# Altium PCB MainPCB_XBeeSXPro_Breakout.PcbDoc (part 1 of 2) (continued)
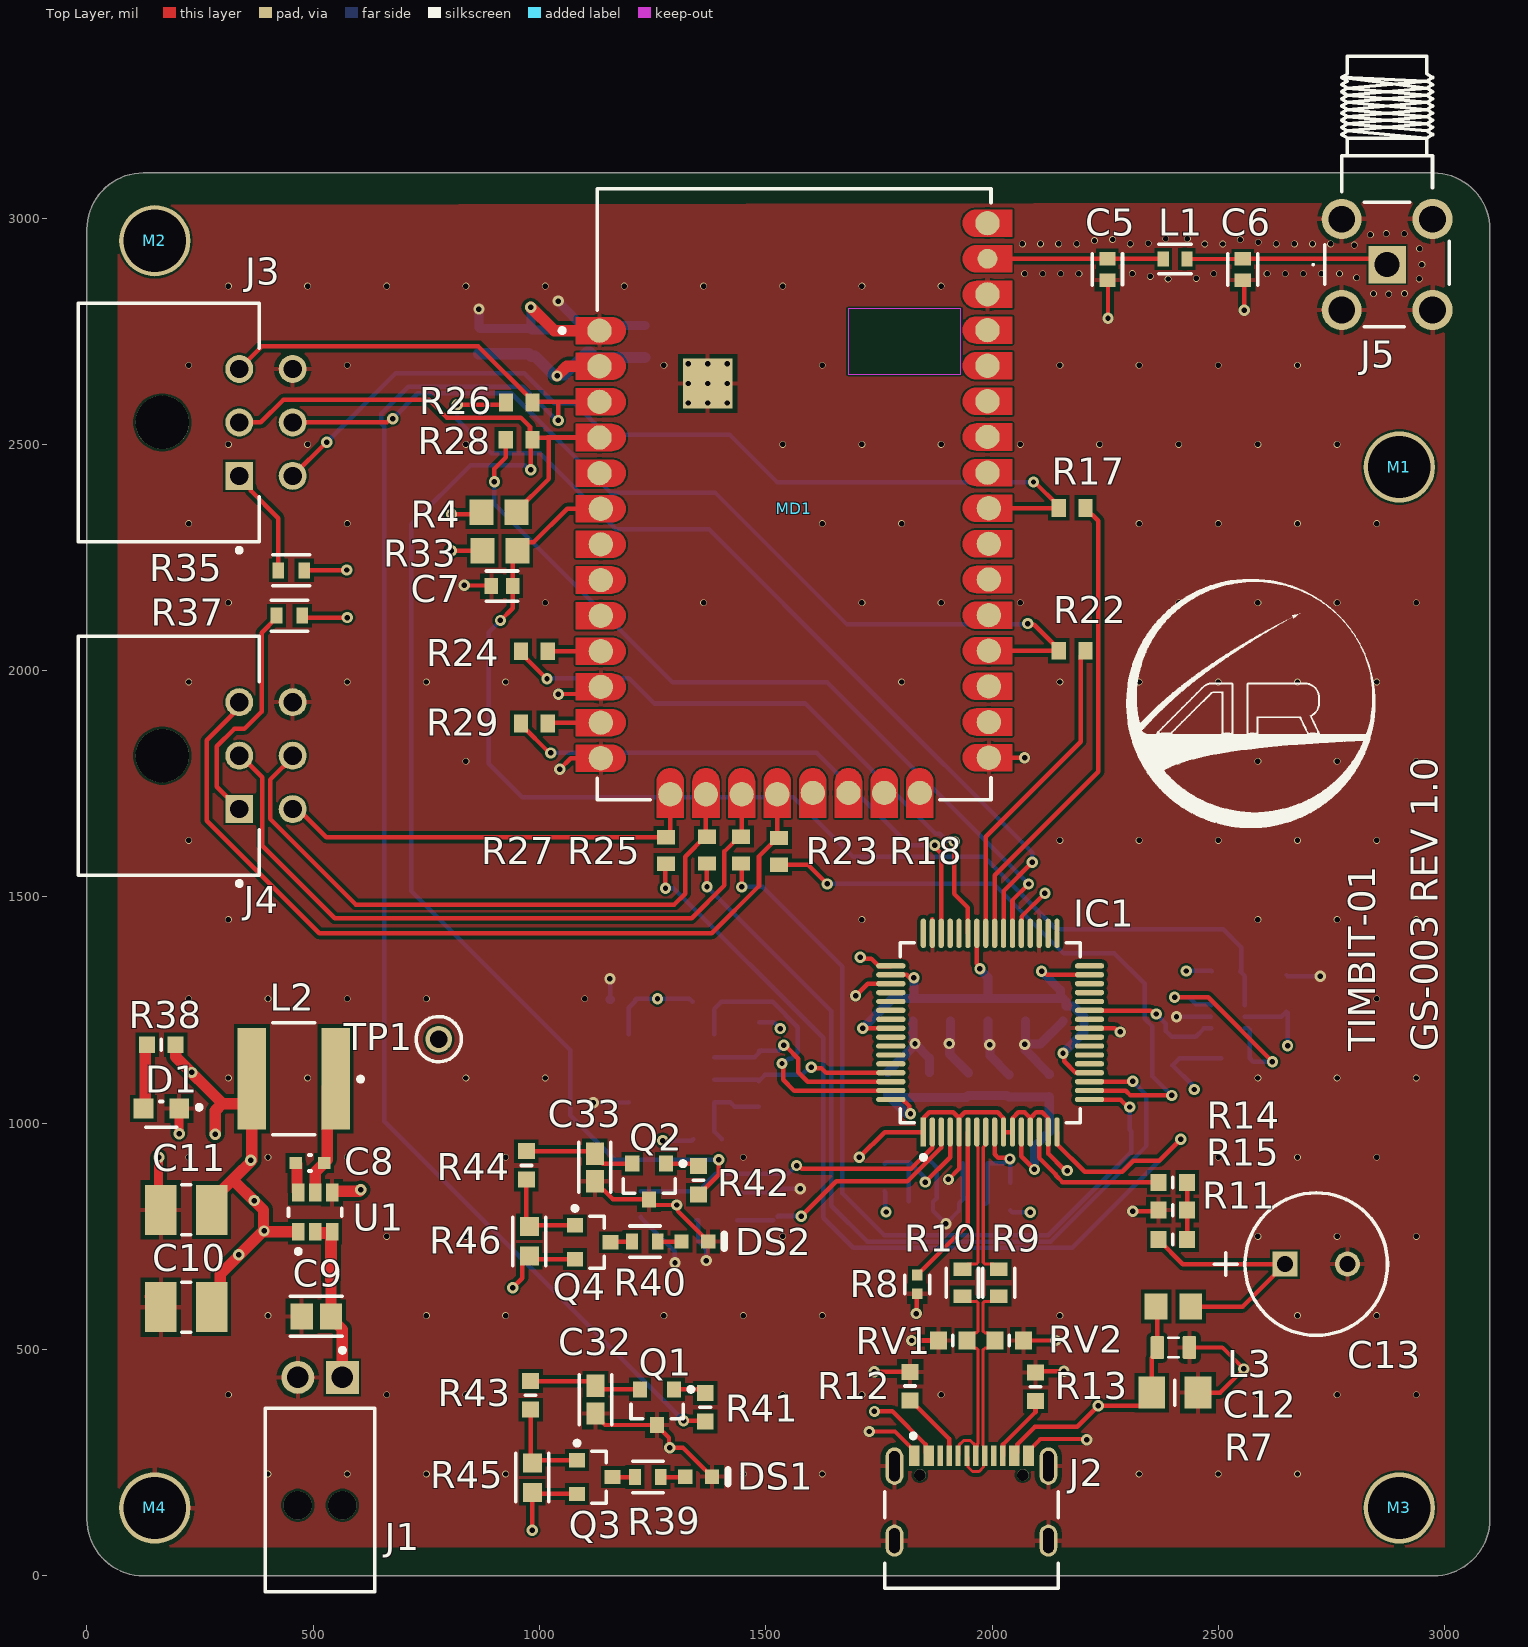
[diagram p0: Top Layer view]
## Footprints (in the part's own frame and the unit in brackets; to place one, negate y for a bottom-side part, rotate by r counter-clockwise, add the part's x,y. Pads: shape width x height; smd on the part's side, far side on the other; paste and mask are expansions set on the pad) (continued)
  Top Layer region: 12.25,-3.54 10.21,-3.54 9.919,-3.482 9.673,-3.317 9.508,-3.071 9.45,-2.78 9.45,-2.78 9.508,-2.489 9.673,-2.243 9.919,-2.078 10.21,-2.02 10.21,-2.02 12.25,-2.02
  Top Layer region: 12.25,0.46 10.21,0.46 9.919,0.518 9.673,0.683 9.508,0.929 9.45,1.22 9.45,1.22 9.508,1.511 9.673,1.757 9.919,1.922 10.21,1.98 10.21,1.98 12.25,1.98
  Top Layer region: 12.25,2.46 10.21,2.46 9.919,2.518 9.673,2.683 9.508,2.929 9.45,3.22 9.45,3.22 9.508,3.511 9.673,3.757 9.919,3.922 10.21,3.98 10.21,3.98 12.25,3.98
  Top Layer region: 12.25,4.46 10.21,4.46 9.919,4.518 9.673,4.683 9.508,4.929 9.45,5.22 9.45,5.22 9.508,5.511 9.673,5.757 9.919,5.922 10.21,5.98 10.21,5.98 12.25,5.98
  Top Layer region: 12.25,6.46 10.21,6.46 9.919,6.518 9.673,6.683 9.508,6.929 9.45,7.22 9.45,7.22 9.508,7.511 9.673,7.757 9.919,7.922 10.21,7.98 10.21,7.98 12.25,7.98
  Top Layer region: 12.25,8.46 10.21,8.46 9.919,8.518 9.673,8.683 9.508,8.929 9.45,9.22 9.45,9.22 9.508,9.511 9.673,9.757 9.919,9.922 10.21,9.98 10.21,9.98 12.25,9.98
  Top Layer region: 12.25,12.46 10.21,12.46 9.919,12.518 9.673,12.683 9.508,12.929 9.45,13.22 9.45,13.22 9.508,13.511 9.673,13.757 9.919,13.922 10.21,13.98 10.21,13.98 12.25,13.98
  Top Layer region: 12.25,14.46 10.21,14.46 9.919,14.518 9.673,14.683 9.508,14.929 9.45,15.22 9.45,15.22 9.508,15.511 9.673,15.757 9.919,15.922 10.21,15.98 10.21,15.98 12.25,15.98
  Keep-Out Layer region: 3.03,6.74 9.35,6.74 9.35,10.42 3.03,10.42
  silkscreen extent -13.15,-17.14 11.05,17.14, body extent -12.35,-18.26 12.35,17.24, height 0.25
KSTN-5003 [mm] "Test Point, Through Hole, Dia 2.54mm"
  round 1.5 hole 1: 1(0,0)
  silkscreen extent -1.27,-1.27 1.27,1.27, body extent -1.27,-1.27 1.27,1.27, height 4.57
LIRD-MI0805K601R-10-2_V [mm] "Chip Bead, 2-Leads, Body 2.2 x1.45 mm"
  rect 1.285x1.47 smd: 1(-0.972,0) 2(0.972,0)
  body extent -1.1,-0.72 1.1,0.73, height 1.1
LTST-LTW-C191TS5_V [mm] "SMD, 2-Leads, Body 1.6x0.8mm"
  rect 0.8x0.8 smd: 1(-0.75,0) 2(0.75,0)
  silkscreen extent 1.65,-0.4 1.65,0.4, body extent -0.8,-0.4 0.8,0.4, height 0.65
LUMX-SML-LX0603_V [mm] "SMD, 2-Leads, Body 1.6x0.8mm"
  rect 0.8x0.8 smd: 1(-0.75,0) 2(0.75,0)
  silkscreen extent 1.65,-0.4 1.65,0.4, body extent -0.8,-0.4 0.8,0.4, height 0.85
ONSC-SOT-23-3-318-08_V [mm] "SOT23, 3-Leads, Body 2.92x1.3mm, Pitch 0.95mm"
  rect 0.9x0.8 smd: 1(-1,0.95) 2(-1,-0.95) 3(1,0)
  silkscreen extent -1.12,-1.46 0.65,2.03, body extent -0.65,-1.46 0.65,1.46, height 1.11
PTH-M3-Footprint-1#1 [mm]
  round 4 hole 3.5: 1(-0.666,-2.883)
PTH-M3-Footprint-1#2 [mm]
  round 4 hole 3.5: 1(1.088,-0.666)
PTH-M3-Footprint-1#3 [mm]
  round 4 hole 3.5: 1(0.738,-0.556)
PTH-M3-Footprint-1#4 [mm]
  round 4 hole 3.5: 1(0.527,0.567)
RESC1608X55N [mm]
  rect 0.9x0.95 smd: 1(-0.8,0) 2(0.8,0)
  silkscreen extent 0,-0.3 0,0.3, body extent -0.8,-0.4 0.8,0.4, height 0.55
RESC1608X55X25ML10T15 [mm] "Chip Resistor, 2-Leads, Body 1.70x0.90mm, IPC Low Density"
  rect 0.8x1 smd: 1(-0.75,0) 2(0.75,0)
  body extent -0.85,-0.45 0.85,0.45, height 0.55
RESC2013X70X40ML20T20 [mm] "Chip Resistor, 2-Leads, Body 2.2x1.35mm, IPC Low Density"
  rect 1.35x1.45 smd: 1(-0.975,0) 2(0.975,0)
  body extent -1.1,-0.67 1.1,0.67, height 0.7
RESC3216X102N [mm]
  rect 1.5x1.8 smd: 1(-1.3,0) 2(1.3,0)
  silkscreen extent 0,-0.7 0,0.7, body extent -1.6,-0.8 1.6,0.8, height 1.02
SMD-0603 [mm] "Chip Inductor, 2-Leads, Body 1.6x0.8mm"
  rect 0.85x0.7 smd: 1(-0.775,0) 2(0.775,0)
  body extent -0.8,-0.4 0.8,0.4, height 0.79
SOIC-SN8_N [mm] "SOIC, 8-Leads, Body 4.9x3.9mm, Pitch 1.27mm, IPC Medium Density"
  oval 2.2x0.6 smd: 1(-2.4,1.905) 2(-2.4,0.635) 3(-2.4,-0.635) 4(-2.4,-1.905) 5(2.4,-1.905) 6(2.4,-0.635) 7(2.4,0.635) 8(2.4,1.905)
  silkscreen extent -2.53,-2.5 0.9,2.88, body extent -2,-2.5 2,2.5, height 1.75
SOT65P210X110-6N [mm]
  rect 1.2x0.4 smd: 1(-0.95,0.65) 2(-0.95,0) 3(-0.95,-0.65) 4(0.95,-0.65) 5(0.95,0) 6(0.95,0.65)
  silkscreen extent -1.55,1.2 -0.35,1.2
VARC1608X90N [mm]
  rect 0.95x1 smd: 1(-0.8,0) 2(0.8,0)
  silkscreen extent 0,-0.3 0,0.3, body extent -0.8,-0.4 0.8,0.4, height 0.9

## Part data
C1: library part CMP-001-00086-1, "Ceramic Capacitor, Multilayer, Ceramic, 250V, 1.22% +Tol, 1.22% -Tol, C0G, 30ppm/Cel TC, 0.0000082uF, Surface Mount,...", Max Operating Temperature=125°C, Min Operating Temperature=-55°C, Mounting Technology="Surface Mount"
C2: library part CMP-2007-03325-2, "CAP CER 47PF 1KV C0G/NP0 0805", Case Code (Imperial)=0805, Case Code (Metric)=2012, Dielectric=C0G, Dielectric Material=Ceramic, Max Operating Temperature=125°C, Min Operating Temperature=-55°C, Package Quantity=1, Tolerance=5%, Voltage Rating=1kV, Voltage Rating (DC)=1.5kV, Capacitance=47pF, Case/Package=0805, Construction=Flat, Depth=1.2mm, Dissipation Factor=0.1%, Height=1.25mm, Lead Free="Lead Free", Length=0.079inch, Mount="Surface Mount", Packaging="Tape and Reel", Radiation Hardening=No, RoHS Compliant=Yes, Series=C, Termination=SMD/SMT, Thickness=0.055inch, Width=0.049inch
C3 C5 C6: library part CMP-2006-03061-2, "CAP CER 0.1UF 50V X7R 0603", Capacitance="0.10 μF", Manufacturer=KEMET, Manufacturer Part Number=C0603C104K5RACTU, Package=C0603C-CF, Temperature="-55°C to +125°C", Temperature Characteristic=X7R, Temperature Coefficient=30ppm/°C, Temperature Range High=+125°C, Temperature Range Low=-55°C, Tolerance=0.1, Voltage Rating="50 V", Automotive=Yes, Automotive Grade="Grade 1", Category=Cap, ComponentLink2Description=Datasheet, ComponentLink2URL=https://api.kemet.com/component-edge/download/datasheet/C0603C100J5GACAUTO.pdf, Device Class L1="Passive Components", Device Class L2=Capacitors, Device Class L3="Ceramic Capacitors", Digikey Description="CAP CER 0.1UF 50V X7R 0603", Height=0.87mm, Lead Free=Yes, Material=Ceramic, Octopart=https://octopart.com/c0603c104k5ractu-kemet-139244, RoHS=TRUE
C4 C12: library part CMP-001-00079-4, "Chip Capacitor, 10µF +/-20%, 25V, 0805, Thickness 1.45 mm", Case/Package=0805, Max Operating Temperature=85°C, Min Operating Temperature=-55°C, Tolerance=10%, Voltage Rating=25V, Mounting Technology=SMT, Pins=2
C7: library part CMP-2006-03046-3, "CAP CER 10000PF 50V X7R 0603", Capacitance="10,000 pF", Manufacturer=KEMET, Manufacturer Part Number=C0603C103K5RACTU, Package=C0603C-CF, Temperature="-55°C to +125°C", Temperature Characteristic=X7R, Temperature Coefficient=30ppm/°C, Temperature Range High=+125°C, Temperature Range Low=-55°C, Tolerance=0.1, Voltage Rating="50 V", Automotive=Yes, Automotive Grade="Grade 1", Category=Cap, ComponentLink2Description=Datasheet, ComponentLink2URL=https://api.kemet.com/component-edge/download/datasheet/C0603C100J5GACAUTO.pdf, Device Class L1="Passive Components", Device Class L2=Capacitors, Device Class L3="Ceramic Capacitors", Digikey Description="CAP CER 10000PF 50V X7R 0603", Height=0.87mm, Lead Free=Yes, Material=Ceramic, Mouser Description="Ceramic Capacitor 0.01Uf, 50V, X7R, 10%, 0603, Full Reel", Octopart=https://octopart.com/c0603c103k5ractu-kemet-133094, RoHS=TRUE
C8: library part CMP-14477-001538-2, "None", Capacitance=100nF, Case Code (Imperial)=0603, Case Code (Metric)=1608, Dielectric=X7R, Max Operating Temperature=125°C, Min Operating Temperature=-55°C, Package Quantity=1, Ratings=AEC-Q200, Tolerance=10%, Voltage Rating=35V, Case/Package=0603, Halogen Free="Halogen Free", Height=0.8mm, Lead Free="Lead Free", Length=0.063inch, Mount="Surface Mount", Packaging="Tape and Reel", RoHS Compliant=Yes, Termination=SMD/SMT, Thickness=0.035inch, Voltage Rating (DC)=35V, Width=0.031inch
C9: library part CMP-06035-047417-1, "Chip Multilayer Ceramic Capacitors for General Purpose, 0805, 10uF, X7R, 15%, 10%, 25V"
C10 C11: library part CMP-14477-001688-2, "None", Capacitance=22uF, Case Code (Imperial)=1210, Case Code (Metric)=3225, Max Operating Temperature=125°C, Min Operating Temperature=-55°C, Tolerance=20%, Voltage Rating=25V, Case/Package=1210, Mount="Surface Mount", Packaging="Tape and Reel", RoHS Compliant=Yes
C13: library part CMP-001-00026-7, "Aluminum Electrolytic Capacitor, 100 uF, +/- 20%, 50 V, -40 to 85 degC, 2-Pin THD, RoHS, Bulk", Capacitor Type=Electrolytic, Case/Package=Radial, Manufacturer=Panasonic, Max Operating Temperature=85°C, Min Operating Temperature=-40°C, Package Description="2-Pin Radial Lead, Dia 8 mm, Height 12.5 mm", Package Quantity=200, Package Reference=CAPPR65-350-1150X800X1250, Ripple Current=250mA, Tolerance=20%, Voltage Rating=50V, Datasheet URL=https://industrial.panasonic.com/cdbs/www-data/pdf/RDF0000/ABA0000C1218.pdf, Datasheet Version="Rev. 05, 10/2016", Diameter=8mm, Lead Pitch=3.5mm, Manufacturer URL=http://www.panasonic.com/, Mounting Technology=TH, Packaging=Bulk, Pins=2, Ripple Current (AC)=250mA, RoHS Compliant=True
C14 C15: library part CMP-06035-014609-1, "Ceramic Capacitor for Automotive 30pF  ±1% 100VDC C0G 0603 Paper T/R"
C16: library part CMP-1035-02591-1, "CAP 100nF 50V ±5% 0603 (1608 Metric) Thickness 1mm SMD", Case-EIA=0603, Case-Metric=1608, Rated Voltage="50 V", Tolerance=Â±5%, Max Thickness="1 mm", Technology=SMT
C17: library part CMP-08246-001708-1, "Cap Ceramic 100nF 50V X7R 20% Pad SMD 0603 +125°C Automotive T/R", Capacitance=100nF, Case Code (Imperial)=0603, Case Code (Metric)=1608, Dielectric=X7R, Max Operating Temperature=125°C, Min Operating Temperature=-55°C, Package Quantity=4000, Ratings=AEC-Q200, Tolerance=20%, Voltage Rating=50V, Case/Package=0603, Height=0.8mm, Length=0.063inch, Mount="Surface Mount", Packaging="Tape and Reel", Thickness=0.031inch, Voltage Rating (DC)=50V, Weight=7.1E-05oz, Width=0.031inch
C18 C20 C21 C22 C23 C25 C27 C28 C29 C30 C31: library part CMP-06035-054388-1, "Cap Ceramic 0.1uF 50V X8R 10% Pad SMD 0603 Soft Termination +150°C Automotive T/R"
C19 C24 C26: library part CMP-001-00076-4, "Chip Capacitor, 4.7µF +/-20%, 10V, 0603, Thickness 1 mm", Case/Package=0603, Max Operating Temperature=85°C, Min Operating Temperature=-55°C, Tolerance=10%, Voltage Rating=10V, Mounting Technology=SMT, Pins=2
C32 C33: library part CMP-2000-07259-3, "None", Case Code (Imperial)=0603, Case Code (Metric)=1608, Dielectric=X7R, Max Operating Temperature=125°C, Min Operating Temperature=-55°C, Package Quantity=1, Resistor Type=Ceramic, Tolerance=10%, Voltage Rating=25V, Capacitance=1uF, Case/Package=0603, Construction=Flat, Contact Plating=Tin, Depth=0.8mm, Halogen Free="Halogen Free", Height=0.8mm, Length=1.6mm, Mount="Surface Mount", Number of Pins=2, Packaging="Tape and Reel", Radiation Hardening=No, REACH SVHC="No SVHC", RoHS Compliant=Yes, Series=M, Termination=SMD/SMT, Thickness=0.035inch, Voltage Rating (DC)=25V, Width=0.031inch
D1: library part CMP-2000-06630-2, "LED RED CLEAR CHIP SMD R/A", Case Code (Imperial)=0603, Case Code (Metric)=1608, Color=Red, Forward Current=30mA, Forward Voltage=2V, Lens Color=Colorless, Max Operating Temperature=85°C, Max Power Dissipation=75mW, Min Operating Temperature=-55°C, Package Quantity=1, Reverse Voltage=5V, Test Current=20mA, Case/Package=0603, Depth=0.6mm, Dominant Wavelength=631nm, Height=0.6mm, Illumination Color=Red, Lead Free="Lead Free", Length=1.6mm, Lens Style=Diffused, Lens Transparency=Clear, Luminous Intensity=54mcd, Mount="Surface Mount", Number of Elements=1, Number of LEDs=1, Number of Pins=2, Packaging="Tape and Reel", Power Dissipation=75mW, Power Rating=75mW, Radiation Hardening=No, Viewing Angle=130°, Wavelength=639nm, Width=1.15mm
DS1: library part CMP-2000-07121-1, "Yellow LED, Milky White Diffused Lens, 2.1 V, 14 mcd, -25 to 85 degC, 2-Pin SMD, RoHS, Tape and Reel", Color=Yellow, Manufacturer=Lumex, Operating Temperature=-25to85C, Package Description="2-Pin Surface Mount Device, Body 1.6 x 0.8 mm", Package Reference=SML-LX00603, Reverse Voltage=5(Min)V, Supplier_Package=SMD, COO=CN, Datasheet URL=http://www.lumex.com/content/files/ProductAttachment/SML-LX0603YW-TR.pdf, Datasheet Version="Rev. G, 09/2013", Dimension=1.6x0.8x0.6mm, Dominant Wavelength=N/A, ECCN=EARII, Family=SML-LX0603YW, HTS=8541402000, Intensity=14mcd, LED Material=GaAsP, Lens Appearance=ColorlessDiffused, Lens Dimensions=1x0.8x0.3mm, Manufacturer URL=http://www.lumexinstruments.com/, Mounting=SurfaceMount, Mounting Technology=SurfaceMount, Number of LEDs=1, Packaging=TapeandReel, Part No=SML-LX0603YW-TR, Peak Wavelength=585nm, Pin_Count=2, RoHS=Unknown, Supplier=Lumex, Type=Uni-Color, Viewing Angle=160
DS2: library part CMP-1674-00013-1, "LED Uni-Color White, 70 mW, 20 mA, -20 to 80 degC, 2-Pin SMD, RoHS, Tape and Reel", Case Code (Imperial)=0603, Case Code (Metric)=1608, Max Operating Temperature="155 degC", Min Operating Temperature="-55 degC", Package Quantity=5000, Power Rating="100 mW", Resistance="12 Ohm", Tolerance=1%, Voltage Rating="50 V", Case\Package=0603, ComponentLink1Description="Manufacturer URL", ComponentLink1URL=http://www.us.liteon.com/, ComponentLink2Description=Datasheet, ComponentLink2URL=http://optoelectronics.liteon.com/upload/download/DS22-2004-201/S_110_LTW-C191TS5.pdf, DatasheetVersion="Rev. B, 06/2010", Height="0.45 mm", Length="1.6 mm", Mount="Surface Mount", PackageDescription="2-Pin Surface Mount Device, Body 1.6 x 0.8 mm", PackageReference=LTW-C191TS5, Packaging="Tape and Reel", Pins=2, REACH SVHC="No SVHC", RoHSCompliant=true, Voltage Rating (DC)="50 V", Width="0.8 mm"
IC1: library part CMP-0078-00021-4, "IC USB HS QUAD UART/SYNC 64-LQFP", Ambient Temperature Range High=+85°C, Ambient Temperature Range Low=-40°C, Manufacturer=FTDI, Max Supply Voltage=3.6V, Min Supply Voltage=3V, Nominal Supply Current=70mA, Package=LQFP-64, Temperature="-40°C to +85°C", Automotive=No, Category=IC, ComponentLink2Description=Datasheet, ComponentLink2URL=https://www.ftdichip.com/Support/Documents/DataSheets/ICs/DS_FT4232H.pdf, Data Rate=480Mbits/s, Device Class L1="Integrated Circuits (ICs)", Device Class L2="Interface ICs", Device Class L3="USB Interface ICs", Digikey Description="IC USB HS QUAD UART/SYNC 64-LQFP", Footprint Url=https://www.ftdichip.com/Support/Documents/TechnicalNotes/TN_166%20FTDI%20Example%20IC%20PCB%20Footprints.pdf, Height=1.6mm, Interface=I2C,SPI,UART,USB,Other, Ipc Land Pattern Name=QFP50P1200X1200X160-64, Lead Free=Yes, Manufacturer Part Number=FT4232HL-REEL, Number of Ports=1, Octopart=https://octopart.com/ft4232hl-reel-ftdi-19172127, RoHS=TRUE, Standoff Height=0.05mm, Temperature Range High=+85°C, Temperature Range Low=-40°C, USB Standard="USB 2.0"
IC2: library part CMP-159-000000-1, "74AUP2G06 - Low-power dual inverter with open-drain output@en-us", Manufacturer_Name=Nexperia, Manufacturer_Part_Number=74AUP2G06GW,125, Mouser Part Number=771-74AUP2G06GW125, Datasheet Link=https://assets.nexperia.com/documents/data-sheet/74AUP2G06.pdf, Design Item ID=74AUP2G06GW_125, Geometry.Height=1.1mm, Mouser Price/Stock=https://www.mouser.co.uk/ProductDetail/Nexperia/74AUP2G06GW125?qs=jquClx72t9AZXxLJ%252BWUccA%3D%3D, Source=74AUP2G06GW_125.SchLib
J1: library part CMP-04776-000341-1, "CONN HEADER R/A 2POS 2.5MM"
J2: library part CMP-245163-000001-1, "CONN RCPT USB2.0 TYPEC 5A", Current Rating=5/6.25/1.25/0.25A, Manufacturer=GCT, Package=0, Temperature="-40°C to +85°C", Temperature Range High=+85°C, Temperature Range Low=-40°C, Voltage Rating=20V, Automotive=No, Category=Conn, ComponentLink2Description=Datasheet, ComponentLink2URL=https://gct.co/files/drawings/usb4105.pdf, Conn Orientation="Right Angle", Contact Material=Gold,Nickel, Device Class L1=Connectors, Device Class L2="USB Connectors", Device Class L3=unset, Digikey Description="CONN RCPT USB2.0 TYPEC 5A", Height=3.46mm, Is Female=yes, Lead Free=Yes, Manufacturer Part Number=USB4105-GF-A, Number of Contacts=16, Octopart=https://octopart.com/usb4105-gf-a-gct-106627878, RoHS=TRUE, USB Standard="USB 2.0"
J3 J4: library part CMP-00257-00287064-1, "43045-0600 Connector Wire to Board Header 6 Position 3mm Solder Right Angle Thru-Hole Tray", Case/Package=SMC, Color=Black, Contact Resistance=10mΩ, Current Rating=5A, Flammability Rating="UL94 V-0", Insulation Resistance=1GΩ, Manufacturer Lifecycle Status=ACTIVE, Max Operating Temperature=105°C, Max Voltage Rating (DC)=250.25kV, Min Operating Temperature=-40°C, Voltage Rating=250V, Approvals="CSA, TUV, UL", Contact Material="Brass, Tin", Contact Plating=Tin, Country of Origin=US, Depth=12.2mm, Diameter=3mm, Gender=Male, Glow Wire Compliant=Compliant, Halogen Free="Low Halogen", Height=7.37mm, Housing Color=Black, Housing Material=Thermoplastic, Lead Free="Lead Free", Lead Pitch=3mm, Length=12.6mm, Lifecycle Status=Production, Material=Polyester, Max Current Rating=5A, Mount="Through Hole", NexarPartId=287064, Number of Circuits=6, Number of Contacts=6, Number of Pins=6, Number of Positions=6, Number of Rows=2, Orientation="Right Angle, Vertical", Packaging=Bulk, Pitch=3mm, Plating=Tin, Radiation Hardening=No, REACH SVHC="No SVHC", RoHS=Compliant, Row Spacing=3mm, Schedule B=8536694040, Termination=Solder, Voltage Rating (AC)=250V, Voltage Rating (DC)=250V, Width=9.9mm
J5: library part CMP-002-00083-1, "RF SMA Connector, Male, Board Mount, Solder Terminal", Manufacturer Lifecycle Status=ACTIVE, China RoHS=Compliant, Contact Gender=Male, Impedance=50Ω, Number of Positions=1, Packaging=Bulk
L1: library part CMP-06042-001615-1, "Wire Wound RF Inductor 12nH ±2% 600mA 0.13Ω 0603 (1608)", Case Code (Imperial)=0603, Case Code (Metric)=1608, Current=500mA, Current Rating=600mA, DC Resistance (DCR)=130mR, Inductance=12nH, Inductance Tolerance=2%, Max Operating Temperature=125°C, Min Operating Temperature=-55°C, Package Quantity=4000, Resistor Type=Wirewound, Self Resonant Frequency=6GHz, Test Frequency=100MHz, Case/Package=0603, DC Current=600mA, Depth=1mm, Height=0.8mm, Lead Free="Lead Free", Length=1.6mm, Max DC Current=600mA, Military Standard=Not, Mount="Surface Mount", Number of Pins=2, Packaging="Tape and Reel", Q Factor=35, Radiation Hardening=No, REACH SVHC="No SVHC", Series Resistance=130mR, Shielding=Unshielded, Termination=SMD/SMT, Tolerance=2%, Weight=0.000106oz, Width=0.8mm
L2: library part CMP-06042-012577-1, "Shielded Wirewound Inductor 4.7uH 20% 4000mA 0.0276Ω SMD", Case/Package=Nonstandard, Current Rating=4.5A, DC Resistance (DCR)=27.6mR, Inductance=4.7uH, Max DC Current=4A, Resistor Type=Wirewound, Test Frequency=100kHz, Tolerance=20%, Core Material=Ferrite, Height - Seated (Max)=0.177inch, Length=0.248inch, Mount="Surface Mount", Packaging="Tape and Reel", Shielding=Shielded, Width=0.248inch
L3: library part CMP-2000-05196-1, "Chip Bead for Power Filtering, 1500 mA, 600 Ohm, -40 to 125 degC, 0805 (2012 Metric), RoHS, Tape and Reel", Current Rating (Max)=1.5A, DC Resistance (DCR) (Max)=100mOhm, Impedance @ Frequency=600Ohm@100MHz, Manufacturer=Laird, Operating Temperature=-40degC~125degC, Package / Case=0805(2012Metric), Package Description="2-Pin Surface Mount Device, Body 2 x 1.25 mm", Package Reference=MI0805K601R-10-2, Ratings=-, Standard Package=1, Catalog Drawings=(HI,HZ,LI,MI)0805Series_1.10mmMax.Height, Category=Filters, Datasheet URL=https://datasheet.ciiva.com/3082/mi0805k601r-10-a-vp-3082219.pdf, Datasheet Version="Rev. A, 01/2004", Family=FerriteBeadsandChips, Filter Type=PowerLine, Height (Max)="0.043\"(1.10mm)", Kits=240-2227-ND-KITEMIFERRITEBEADCHIPSMD, Manufacturer URL=https://www.lairdtech.com, Mounting Type=SurfaceMount, Number of Lines=1, Online Catalog=MISeries, Other Names=240-2390-1, Packaging=CutTape(CT), Series=MI, Size / Dimension="0.079\"Lx0.049\"W(2.00mmx1.25mm)"
L4 L5: library part CMP-0220-00148-1, "SMD EMI Suppression Ferrite Bead WE-CBF, Z = 220 Ohm", ComponentLink1Description="Manufacturer Link", ComponentLink1URL=http://www.we-online.com, ComponentLink2Description=Datasheet, ComponentLink2URL=http://www.we-online.de/katalog/media/pdf/74279263.pdf, DatasheetVersion=Dec-2005, Impedance="220 Ohm", PackageDescription="Chip Inductor, 2-Leads, Body 1.6 x 0.8 mm", PackageReference=SMD-0603, PackageVersion=2009
M1 M2 M3 M4: library part CMP-00028-00007-1, "Mounting hole for M3 screw", Case/Package=M3, Mounting Technology=THT, Pins=1
MD1: library part CMP-84319-000001-1, "XBEE PRO MOD TXRX ISM 915MHZ UFL", Manufacturer="Digi International", Max Frequency=928MHz, Max Supply Voltage=3.6V, Min Supply Voltage=2.4V, Package=0, Receiving Current=40mA, Temperature="-40°C to +85°C", Temperature Range High=+85°C, Temperature Range Low=-40°C, Transmitting Current=330-900mA, Automotive=No, Bandwidth=26MHz, Category=UNK, ComponentLink2Description=Datasheet, ComponentLink2URL=https://www.digi.com/resources/documentation/digidocs/pdfs/90001477.pdf, Data Rate=250kbits/s, Device Class L1="Integrated Circuits (ICs)", Device Class L2="RF Semiconductors and Devices", Device Class L3=Transceivers, Digikey Description="XBEE PRO MOD TXRX ISM 915MHZ UFL", Height=3.556mm, Interface=SPI,UART, Lead Free=Yes, Manufacturer Part Number=XBP9X-DMUS-001, Number Of Adc Channels=4, Number Of Gpio=20, Octopart=https://octopart.com/xbp9x-dmus-001-digi+international-71530758, RoHS=TRUE, Sensitivity=-103dBm
Q1 Q2 Q3 Q4: library part CMP-1048-00670-1, "General Purpose Transistor, PNP Silicon, 3-Pin SOT-23, Pb-Free, Tape and Reel", Manufacturer="On Semiconductor", ComponentLink1Description="Manufacturer URL", ComponentLink1URL=http://www.onsemi.com/, ComponentLink2Description=Datasheet, ComponentLink2URL=http://www.onsemi.cn/pub_link/Collateral/MMBT3906LT1-D.PDF, ComponentLink3Description="Package Specification", ComponentLink3URL=http://www.onsemi.cn/pub_link/Collateral/318-08.PDF, DatasheetVersion="Rev. 11", fT Min (MHz)=250, IC Continuous (A)=-0.2, Mounting Technology="Surface Mount", PackageDescription="3-Pin Small Outline Transistor, Body 2.92 x 1.3 mm, Pitch 0.95 mm", PackageReference=SOT-23-3-318-08, PackageVersion="Rev. AP, 11/2009", Packing="Tape and Reel", PartNumber=MMBT3906LT1G, Polarity=PNP, RoHS=TRUE
R4 R33: library part CMP-009-00024-5, "Chip Resistor, 100 KOhm, +/- 1%, 0.125 W, -55 to 155 degC, 0805 (2012 Metric)", Case/Package=0805, Max Operating Temperature=155°C, Min Operating Temperature=-55°C, Power=125mW, Tolerance=1%, Voltage Rating=150V, Mounting Technology=SM, Pins=2, RoHS Compliant=True
R7: "Varistor", Manufacturer_Name="Kyocera AVX", Mouser Part Number=581-VC120648D101DP, Arrow Part Number=VC120648D101DP, Arrow Price/Stock=https://www.arrow.com/en/products/vc120648d101dp/avx?region=europe, Datasheet Link=https://componentsearchengine.com/Datasheets/2/VC120648D101DP.pdf, Height=1.02mm, Manufacturer_Part_Number=VC120648D101DP, Mouser Price/Stock=https://www.mouser.com/Search/Refine.aspx?Keyword=581-VC120648D101DP
R8: library part CMP-02407-010136-1, "RES Thick Film, 12kΩ, 1%, 0.063W, 100ppm/°C, 0402", Case/Package=0402, Max Operating Temperature=155°C, Max Power Dissipation=63mW, Min Operating Temperature=-55°C, Package Quantity=50000, Resistance=12kR, Temperature Coefficient=100ppm/°C, Tolerance=1%, Composition="Thick Film", Features="Automotive AEC-Q200", Height=0.016inch, Lead Free="Lead Free", Length=0.039inch, Number of Terminations=2, Packaging="Tape and Reel", Width=0.02inch
R9 R10: library part CMP-02407-006896-1, "RES Thick Film, 10Ω, 1%, 0.1W, 100ppm/°C, 0603", Case/Package=0603, Power Rating=100mW, Tolerance=1%, Lead Free="Lead Free", Resistance=10R
R11: library part CR0603-JW-472ELF, "Resistor", Manufacturer_Name=Bourns, Mouser Part Number=652-CR0603-JW-472ELF, Arrow Part Number=CR0603-JW-472ELF, Arrow Price/Stock=https://www.arrow.com/en/products/cr0603-jw-472elf/bourns?region=nac, Datasheet Link=https://www.bourns.com/pdfs/chpreztr.pdf, Height=0.55mm, Manufacturer_Part_Number=CR0603-JW-472ELF, Mouser Price/Stock=https://www.mouser.co.uk/ProductDetail/Bourns/CR0603-JW-472ELF?qs=YYkh393lUtir45oxsbM4ug%3D%3D
R12 R13: library part CR0603-FX-5101ELF, "Resistor", Manufacturer_Name=Bourns, Mouser Part Number=652-CR0603FX-5101ELF, Arrow Part Number=CR0603-FX-5101ELF, Arrow Price/Stock=https://www.arrow.com/en/products/cr0603-fx-5101elf/bourns?utm_currency=USD&region=nac, Datasheet Link=https://www.bourns.com/pdfs/chpreztr.pdf, Height=0.55mm, Manufacturer_Part_Number=CR0603-FX-5101ELF, Mouser Price/Stock=https://www.mouser.co.uk/ProductDetail/Bourns/CR0603-FX-5101ELF?qs=0nF2VnfAjXkzZl7D0jRjmQ%3D%3D
R14 R38: library part CR0603-JW-102ELF, "Resistor", Manufacturer_Name=Bourns, Mouser Part Number=652-CR0603-JW-102ELF, Arrow Part Number=CR0603-JW-102ELF, Arrow Price/Stock=https://www.arrow.com/en/products/cr0603-jw-102elf/bourns?region=nac, Datasheet Link=https://www.bourns.com/pdfs/chpreztr.pdf, Height=0.55mm, Manufacturer_Part_Number=CR0603-JW-102ELF, Mouser Price/Stock=https://www.mouser.co.uk/ProductDetail/Bourns/CR0603-JW-102ELF?qs=rcPhh2wube3o3zlmFZCUPg%3D%3D
R15 R19 R20 R21 R30 R31 R32 R41 R42 R43 R44: library part CR0603-FX-1002ELF, "Resistor", Manufacturer_Name=Bourns, Mouser Part Number=652-CR0603FX-1002ELF, Arrow Part Number=CR0603-FX-1002ELF, Arrow Price/Stock=https://www.arrow.com/en/products/cr0603-fx-1002elf/bourns?utm_currency=USD&region=europe, Datasheet Link=https://www.bourns.com/pdfs/chpreztr.pdf, Height=0.55mm, Manufacturer_Part_Number=CR0603-FX-1002ELF, Mouser Price/Stock=https://www.mouser.co.uk/ProductDetail/Bourns/CR0603-FX-1002ELF?qs=K5ddiUFZPT6XHG0dQH96QA%3D%3D
R16: library part CMP-03613-000087-1, "RES Thick Film, 2.2kΩ, 1%, 0.1W, 50ppm/°C, 0603", Case/Package=0603, Max Operating Temperature=155°C, Max Power Dissipation=100mW, Min Operating Temperature=-55°C, Package Quantity=5000, Resistance=2.2kR, Resistor Type="Thick Film", Temperature Coefficient=50ppm/°C, Tolerance=1%, Depth=0.85mm, Features="Automotive AEC-Q200", Height=0.02inch, Length=0.061inch, Military Standard=Not, Number of Terminations=2, Packaging="Tape and Reel", RoHS Compliant=Yes, Series=CRCW-P, Width=0.033inch